# Altium PCB waffling60-MXHS-ISO.PcbDoc (part 3 of 3)
Units mm, origin at the board's own origin, x right, y up, seen from the top; angles counter-clockwise.
Board outline 284.73 x 94.2 mm, 2 copper layers (Component Side, Bottom Layer), stack 1.571 mm thick; 193 components, 119 nets, 1593 pads, 240 vias.
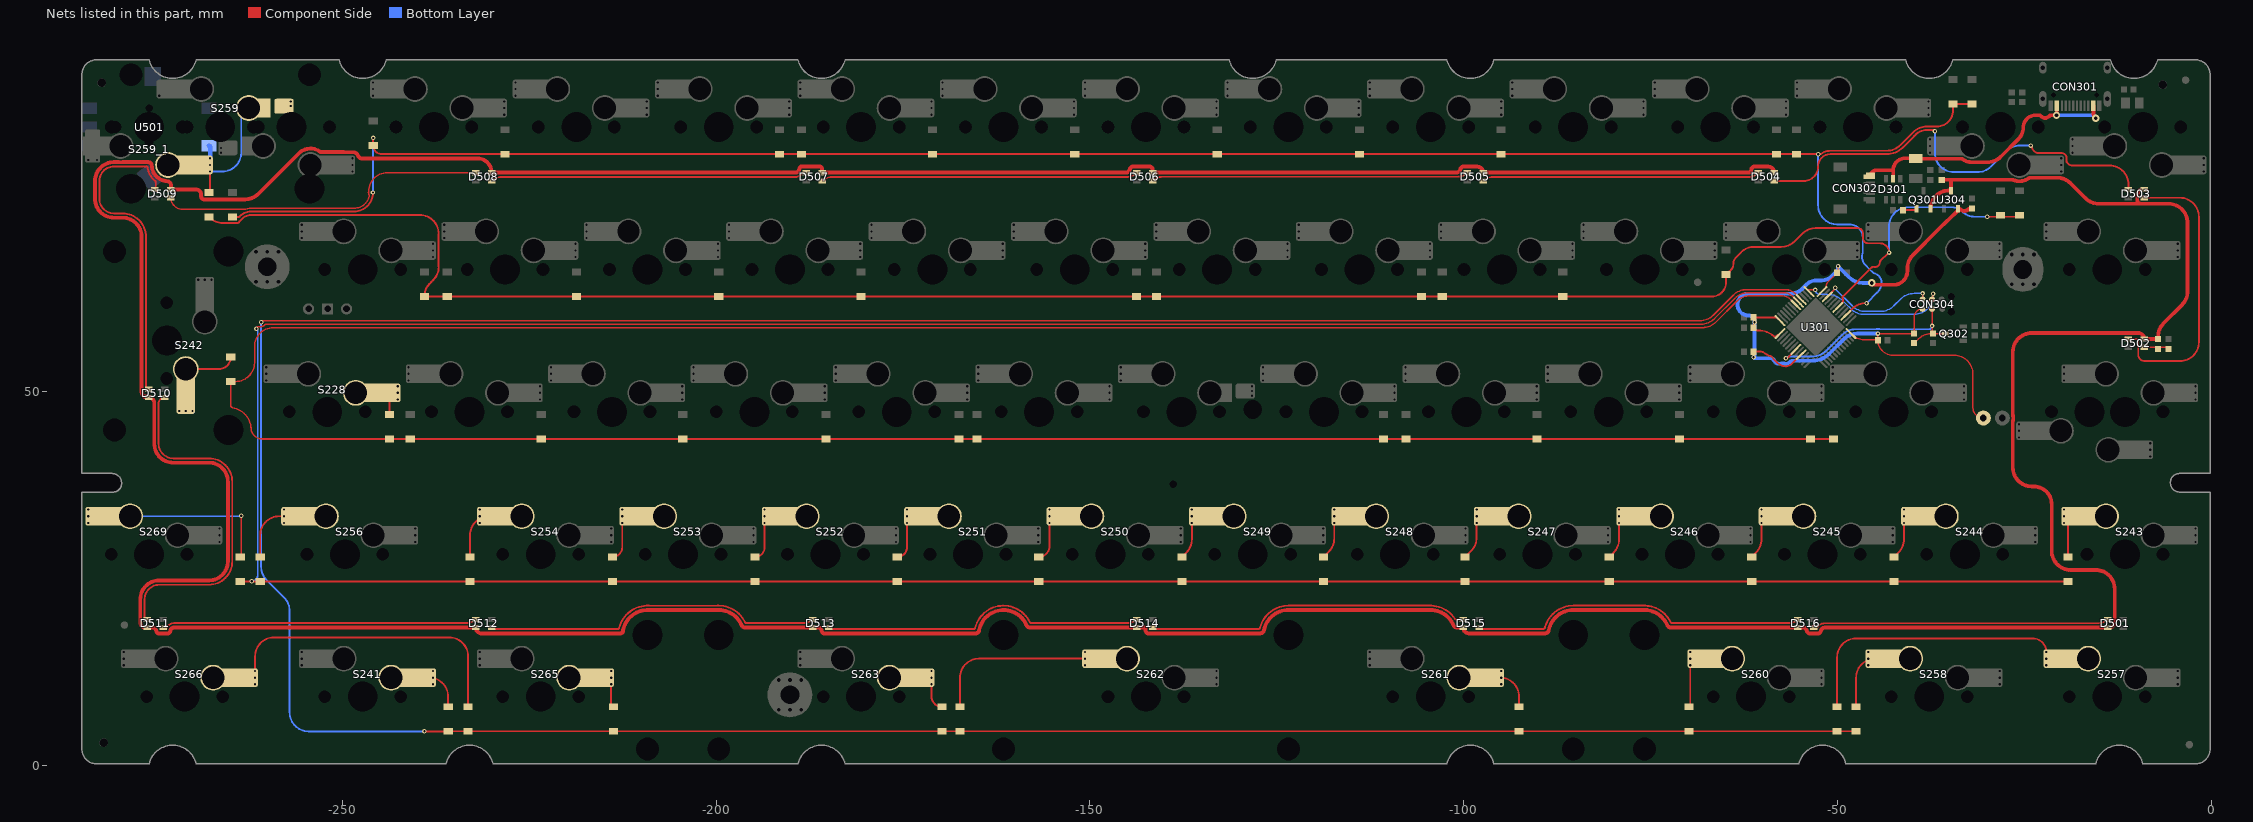
[diagram p3: the nets of this part, all layers, seen from the top]

## Via types
v1: diameter 0.6, hole 0.3, Component Side to Bottom Layer, tented both sides, 211 vias
v2: diameter 0.6, hole 0.3, Component Side to Bottom Layer, tented bottom, 25 vias
v3: diameter 1, hole 0.5, Component Side to Bottom Layer, tented both sides, 4 vias

## Nets (pads, with @x,y where several pads share a name; then routed paths per layer and width w, separated by ;. In a path a pad name is that pad's centre, name@x,y a point inside that pad or via, vN(x,y) a via of type N, cw(c..) or ccw(c..) an arc to the next point about the centre after c; other vN are vias at no path point) (continued)
NetD241_1: D241.1 S242.1 | length 8.7
  Component Side w0.254: S242.1@-270.94,53.03 -266.527,53.03 ccw(c-266.527,54.635) D241.1@-264.922,54.635
  Bottom Layer w0.6: S242.1@-271.773,47.393 S242.1@-269.995,47.393
NetD242_1: D242.1 S228.1 | length 5.1
  Component Side w0.254: S228.1@-244.452,49.855 cw(c-244.452,49.116) -243.713,49.116 D242.1@-243.713,46.95
  Bottom Layer w0.6: S228.1@-242.592,48.966 S228.1@-242.592,49.855 S228.1@-242.592,50.744
NetD243_1: D243.1 S243.1 | length 7.3
  Component Side w0.254: D243.1@-19.177,27.9 -19.177,32.39 cw(c-17.826,32.39) S243.1@-18.781,33.345
  Bottom Layer w0.6: S243.1@-19.681,32.456 S243.1@-19.681,33.345 S243.1@-19.681,34.234
NetD244_1: D244.1 S244.2 | length 6.8
  Component Side w0.254: D244.1@-42.418,27.9 -41.854,28.464 ccw(c-43.65,30.26) -41.11,30.26 S244.2@-41.11,32.456
  Bottom Layer w0.6: S244.2@-41.11,32.456 S244.2@-41.11,33.345 S244.2@-41.11,34.234
NetD245_1: D245.1 S245.1 | length 6.8
  Component Side w0.254: D245.1@-61.468,27.9 -60.906,28.462 ccw(c-62.702,30.258) -60.162,30.258 S245.1@-60.162,32.456
  Bottom Layer w0.6: S245.1@-60.162,32.456 S245.1@-60.162,33.345 S245.1@-60.162,34.234
NetD246_1: D246.1 S246.1 | length 6.8
  Component Side w0.254: D246.1@-80.518,27.9 -79.956,28.462 ccw(c-81.752,30.258) -79.212,30.258 S246.1@-79.212,32.456
  Bottom Layer w0.6: S246.1@-79.212,32.456 S246.1@-79.212,33.345 S246.1@-79.212,34.234
NetD247_1: D247.1 S247.1 | length 6.9
  Component Side w0.254: D247.1@-99.822,27.9 -99.006,28.716 ccw(c-100.802,30.512) -98.262,30.512 S247.1@-98.262,32.456
  Bottom Layer w0.6: S247.1@-98.262,32.456 S247.1@-98.262,33.345 S247.1@-98.262,34.234
NetD248_1: D248.1 S248.1 | length 6.8
  Component Side w0.254: D248.1@-118.745,27.9 -118.056,28.589 ccw(c-119.852,30.385) -117.312,30.385 S248.1@-117.312,32.456
  Bottom Layer w0.6: S248.1@-117.312,32.456 S248.1@-117.312,33.345 S248.1@-117.312,34.234
NetD249_1: D249.1 S249.1 | length 6.8
  Component Side w0.254: D249.1@-137.668,27.9 -137.106,28.462 ccw(c-138.902,30.258) -136.362,30.258 S249.1@-136.362,32.456
  Bottom Layer w0.6: S249.1@-136.362,32.456 S249.1@-136.362,33.345 S249.1@-136.362,34.234
NetD250_1: D250.1 S250.1 | length 7.9
  Component Side w0.254: D250.1@-156.845,27.9 ccw(c-156.845,29.333) -155.412,29.333 S250.1@-155.412,32.456 ; S250.1@-154.305,33.345 S250.1@-153.552,33.345
  Bottom Layer w0.6: S250.1@-155.412,32.456 S250.1@-155.412,33.345 S250.1@-155.412,34.234
NetD251_1: D251.1 S251.1 | length 7.7
  Component Side w0.254: D251.1@-175.768,27.9 ccw(c-175.768,29.206) -174.462,29.206 S251.1@-174.462,32.456 ; S251.1@-173.228,33.345 S251.1@-172.602,33.345
  Bottom Layer w0.6: S251.1@-174.462,32.456 S251.1@-174.462,33.345 S251.1@-174.462,34.234
NetD252_1: D252.1 S252.1 | length 7.7
  Component Side w0.254: D252.1@-194.818,27.9 ccw(c-194.818,29.206) -193.512,29.206 S252.1@-193.512,32.456 ; S252.1@-192.278,33.345 S252.1@-191.652,33.345
  Bottom Layer w0.6: S252.1@-193.512,32.456 S252.1@-193.512,33.345 S252.1@-193.512,34.234
NetD253_1: D253.1 S253.1 | length 7.7
  Component Side w0.254: D253.1@-213.868,27.9 ccw(c-213.868,29.206) -212.562,29.206 S253.1@-212.562,32.456 ; S253.1@-211.328,33.345 S253.1@-210.702,33.345
  Bottom Layer w0.6: S253.1@-212.562,32.456 S253.1@-212.562,33.345 S253.1@-212.562,34.234
NetD254_1: D254.1 S254.1 | length 9.3
  Component Side w0.254: D254.1@-232.918,27.9 -232.918,30.805 cw(c-230.378,30.805) -230.378,33.345 S254.1@-229.752,33.345
  Bottom Layer w0.6: S254.1@-231.612,32.456 S254.1@-231.612,33.345 S254.1@-231.612,34.234
NetD255_1: D255.1 S256.1 | length 11.2
  Component Side w0.254: D255.1@-260.985,27.9 -260.985,30.805 cw(c-258.445,30.805) -258.445,33.345 S256.1@-255.945,33.345
  Bottom Layer w0.6: S256.1@-257.805,32.456 S256.1@-257.805,33.345 S256.1@-257.805,34.234
NetD256_1: D256.1 S269.1 | length 22.4
  Component Side w0.254: S269.1@-282.212,33.273 S269.1@-282.14,33.345 ; D256.1@-263.652,27.9 ccw(c-263.652,28.027) -263.525,28.027 v1(-263.525,33.401)
  Bottom Layer w0.254: S269.1@-278.39,33.345 -263.581,33.345 ccw(c-263.581,33.401) v1(-263.525,33.401)
  Bottom Layer w0.6: S269.1@-284,32.456 S269.1@-284,33.345 S269.1@-284,34.234
NetD257_1: D257.1 S257.2 | length 38.9
  Component Side w0.254: D257.1@-50.038,7.85 -50.038,14.478 cw(c-47.498,14.478) -47.498,17.018 -23.896,17.018 cw(c-23.896,15.184) S257.2@-22.062,15.184
  Bottom Layer w0.6: S257.2@-22.062,13.406 S257.2@-22.062,14.295 S257.2@-22.062,15.184
NetD258_1: D258.1 S258.1 | length 10.6
  Component Side w0.254: D258.1@-47.498,7.85 -47.498,11.755 cw(c-44.958,11.755) -44.958,14.295 S258.1@-44.014,14.295
  Bottom Layer w0.6: S258.1@-45.874,13.406 S258.1@-45.874,14.295 S258.1@-45.874,15.184
NetD260_1: D260.1 S260.1 | length 7.4
  Component Side w0.203: D260.1@-69.85,7.85 ccw(c-69.85,8.013) -69.687,8.013 -69.687,12.115 S260.1@-69.687,13.406
  Bottom Layer w0.6: S260.1@-69.687,13.406 S260.1@-69.687,14.295 S260.1@-69.687,15.184
NetD261_1: D261.1 S261.1 | length 8.8
  Component Side w0.254: S261.1@-96.839,11.755 -95.123,11.755 cw(c-95.123,9.215) -92.583,9.215 D261.1@-92.583,7.85
  Bottom Layer w0.6: S261.1@-94.979,10.866 S261.1@-94.979,11.755 S261.1@-94.979,12.644
NetD262_1: D262.1 S262.2 | length 25.7
  Component Side w0.254: D262.1@-167.386,7.858 -167.386,11.755 cw(c-164.846,11.755) -164.846,14.295 S262.2@-148.789,14.295
  Bottom Layer w0.6: S262.2@-150.649,13.406 S262.2@-150.649,14.295 S262.2@-150.649,15.184
NetD263_1: D263.1 S263.1 | length 6.3
  Component Side w0.254: S263.1@-173.039,11.755 S263.1@-172.339,11.755 ; S263.1@-171.179,10.866 -171.179,9.23 ccw(c-169.799,9.23) D263.1@-169.799,7.85
  Bottom Layer w0.6: S263.1@-171.179,10.866 S263.1@-171.179,11.755 S263.1@-171.179,12.644
NetD264_1: D264.1 S265.1 | length 5
  Component Side w0.254: S265.1@-214.042,10.866 -214.042,9.741 -214.042,8.151 ccw(c-213.741,8.151) D264.1@-213.741,7.85
  Bottom Layer w0.6: S265.1@-214.042,10.866 S265.1@-214.042,11.755 S265.1@-214.042,12.644
NetD265_1: D265.1 S241.2 | length 8.5
  Component Side w0.254: S241.2@-239.714,11.755 -238.379,11.755 cw(c-238.379,9.215) -235.839,9.215 D265.1@-235.839,7.85
  Bottom Layer w0.6: S241.2@-237.854,10.866 S241.2@-237.854,11.755 S241.2@-237.854,12.644
NetD266_1: D266.1 S266.1 | length 41.9
  Component Side w0.254: S266.1@-261.667,12.644 -261.667,14.605 cw(c-259.127,14.605) -259.127,17.145 -235.712,17.145 cw(c-235.712,14.605) -233.172,14.605 D266.1@-233.172,7.85
  Bottom Layer w0.6: S266.1@-261.667,10.866 S266.1@-261.667,11.755 S266.1@-261.667,12.644
NetD501_4: D501.4 D516.2 | length 39.6
  Component Side w0.254: D516.2@-53.158,18.45 -52.785,18.457 -52.756,18.457 ccw(c-52.815,18.704) -52.606,18.559 cw(c-51.709,17.942) -51.711,19.031 -15.124,19.031 ccw(c-15.124,20.803) D501.4@-13.871,19.55
NetD502_2: D502.2 D503.4 | length 39.3
  Component Side w0.254: D502.2@-11.444,57.273 D502.2@-11.071,57.05 -10.001,57.05 cw(c-10.001,56.796) -9.768,56.897 -9.768,54.98 ccw(c-8.89,54.98) -8.89,54.102 -4.191,54.102 ccw(c-4.191,56.642) -1.651,56.642 -1.651,73.41 ccw(c-4.191,73.41) -4.191,75.95 D503.4@-8.941,75.95
NetD502_4: D502.4 R306.2 R308.1 | length 3.3
  Component Side w0.254: D502.4@-8.941,55.95 -5.927,55.95 cw(c-5.927,55.738) R308.1@-5.715,55.738
NetD503_2: D503.2 D504.4 | length 59.6
  Component Side w0.254: D504.4@-58.441,78.2 -54.515,78.2 ccw(c-54.515,80.137) -52.578,80.137 cw(c-50.927,80.137) -50.927,81.788 -43.397,81.788 ccw(c-43.397,84.782) -41.279,82.666 -39.748,84.197 ; -39.747,84.197 -39.54,84.405 cw(c-38.064,82.931) -38.064,85.017 v1@-37.157,85.017 ; v1@-24.003,82.931 ccw(c-22.984,82.931) -22.984,81.912 -19.987,81.912 cw(c-19.987,81.272) -19.348,81.272 -19.348,80.838 ccw(c-19.094,80.839) -19.316,80.715 ccw(c-18.542,81.153) -18.542,80.264 -13.611,80.264 cw(c-13.611,77.724) -11.071,77.724 D503.2@-11.071,77.05
  Bottom Layer w0.254: v1(-36.957,84.836) -36.957,81.915 ccw(c-34.417,81.915) -34.417,79.375 -31.278,79.375 ccw(c-31.278,81.915) -29.482,80.119 -27.414,82.187 cw(c-25.618,80.391) -25.618,82.931 v1(-24.13,82.931)
NetD504_2: D504.2 D505.4 | length 37.5
  Component Side w0.254: D505.4@-97.001,78.21 D505.4@-97.374,78.2 cw(c-96.085,76.911) -96.085,78.734 -61.937,78.734 ccw(c-61.937,80.666) D504.2@-60.571,79.3
NetD505_2: D505.2 D506.4 | length 42.4
  Component Side w0.254: D506.4@-141.591,78.2 cw(c-140.249,76.858) -140.249,78.756 -139.494,78.756 -100.817,78.756 ccw(c-100.817,80.613) D505.2@-99.504,79.3
NetD506_2: D506.2 D507.4 | length 42.4
  Component Side w0.254: D507.4@-185.808,78.2 cw(c-184.519,76.911) -184.519,78.734 -145.087,78.734 ccw(c-145.087,80.666) D506.2@-143.721,79.3
NetD507_2: D507.2 D508.4 | length 42.4
  Component Side w0.254: D508.4@-230.024,78.2 cw(c-228.735,76.911) -228.735,78.734 -189.43,78.734 ccw(c-189.43,79.962) -189.062,78.791 ccw(c-189.388,79.83) -188.503,79.195 cw(c-188.297,79.046) -188.325,79.298 -188.311,79.298 D507.2@-187.938,79.3
NetD508_2: D508.2 D509.4 | length 45.1
  Component Side w0.203: D509.4@-272.539,76.203 ccw(c-272.394,76.06) -272.543,76.198 -272.537,76.198 D509.4@-272.935,75.95 -272.914,75.702 -272.914,75.7 ccw(c-271.407,75.95) -271.407,74.422 -263.003,74.422 ccw(c-263.004,74.625) -262.945,74.431 cw(c-262.197,71.987) -262.197,74.543 -248.44,74.543 ccw(c-248.44,76.654) -247.459,74.784 ccw(c-248.44,76.654) -246.383,76.18 ccw(c-246.581,76.225) -246.409,76.333 cw(c-245.9,76.654) -246.485,76.794 cw(c-243.979,76.794) -243.979,79.3 D508.2@-232.154,79.3
NetD509_2: D509.2 D510.4 | length 43.1
  Component Side w0.254: -282.49,78.28 ccw(c-282.25,78.199) -282.504,78.203 ccw(c-280.545,78.175) -282.504,78.175 ; -276.047,79.979 ccw(c-273.31,80.335) -275.048,78.191 cw(c-275.209,77.994) -274.955,77.996 -274.955,77.273 D509.2@-275.065,77.05 ; -276.047,79.981 ccw(c-276.281,79.88) -276.281,80.134 -279.324,80.134 ccw(c-279.323,79.88) -279.352,80.132 cw(c-279.66,82.875) -279.969,80.132 ccw(c-279.997,79.88) -279.996,80.134 -280.545,80.134 ccw(c-280.545,78.175) -282.431,78.704 ccw(c-280.545,78.175) -282.504,78.175 ; D510.4@-275.899,50.334 cw(c-275.899,50.707) -276.272,50.707 -276.272,70.739 ccw(c-279.393,70.739) -279.393,73.86 -280.545,73.86 cw(c-280.545,75.819) -282.504,75.819 -282.504,78.175
NetD510_2: D510.2 D511.4 | length 47.6
  Component Side w0.254: D511.4@-276.071,19.55 -276.443,19.773 ccw(c-276.697,19.773) -276.443,19.775 -276.444,19.858 cw(c-276.19,19.86) -276.444,19.86 -276.444,22.225 cw(c-274.485,22.225) -274.485,24.184 -267.843,24.184 ccw(c-267.843,27.305) -265.638,25.096 ccw(c-267.843,27.305) -264.722,27.305 -264.722,37.973 ccw(c-267.843,37.973) -267.843,41.094 -272.617,41.094 cw(c-272.617,43.053) -274.576,43.053 -274.576,48.427 cw(c-273.769,48.427) D510.2@-273.769,49.234
NetD511_2: D511.2 D512.4 | length 42.1
  Component Side w0.254: D511.2@-273.941,18.45 -273.568,18.461 -273.532,18.461 ccw(c-273.606,18.704) -273.395,18.562 cw(c-272.49,17.957) -272.491,19.046 -233.371,19.046 ccw(c-233.371,20.767) D512.4@-232.154,19.55
NetD512_2: D512.2 D513.4 | length 45.5
  Component Side w0.254: D512.2@-230.024,18.45 -229.651,18.227 -229.554,18.227 ccw(c-229.555,18.481) -229.518,18.23 cw(c-229.355,17.153) -229.356,18.242 -221.154,18.242 cw(c-221.154,17.098) -221.151,18.242 -213.205,18.242 ccw(c-213.206,18.496) -212.96,18.433 cw(c-209.176,17.485) -210.005,21.296 cw(c-209.176,17.485) -208.989,21.381 ccw(c-208.977,21.634) -208.979,21.38 -199.849,21.38 ccw(c-199.851,21.634) -199.839,21.381 cw(c-199.651,17.485) -199.651,21.385 cw(c-199.651,17.485) -196.142,19.188 ccw(c-195.914,19.3) -195.915,19.046 -188.288,19.046 ccw(c-188.288,20.767) D513.4@-187.071,19.55
NetD513_2: D513.2 D514.4 | length 45.6
  Component Side w0.254: -184.432,18.233 cw(c-184.184,17.173) -184.185,18.262 -165.507,18.262 ccw(c-165.578,18.506) -165.332,18.442 cw(c-161.551,17.485) -165.204,18.85 cw(c-161.551,17.485) -164.354,20.196 cw(c-161.551,17.485) -158.819,20.268 ; -160.866,21.325 cw(c-161.551,17.485) -158.819,20.268 ; D514.4@-143.721,19.55 cw(c-144.928,20.757) -144.928,19.05 -157.825,19.05 cw(c-157.816,19.304) -158.044,19.191 ccw(c-161.551,17.485) -158.819,20.268
NetD514_2: D514.2 D515.4 | length 43.7
  Component Side w0.254: D514.2@-141.591,18.45 -141.218,18.227 -141.121,18.227 ccw(c-141.122,18.481) -141.085,18.23 cw(c-140.922,17.153) -140.923,18.242 -140.509,18.242 cw(c-140.509,17.098) -140.506,18.242 -127.717,18.242 ccw(c-127.717,20.782) -127.449,18.256 ccw(c-127.477,18.509) -127.231,18.445 cw(c-123.451,17.485) -124.008,21.345 cw(c-123.451,17.485) -123.442,21.385 -104.442,21.385 ; D515.4@-100.071,19.55 -100.988,19.55 cw(c-100.987,19.804) -101.197,19.661 ccw(c-104.433,17.485) -104.284,21.382 -104.304,21.383 -104.329,21.384 ccw(c-104.378,20.296) -104.378,21.385 -104.424,21.385 ; -104.442,21.385 cw(c-104.433,17.485) -104.424,21.385 ; -104.442,21.385 -104.424,21.385
NetD515_2: D515.2 D516.4 | length 45.2
  Component Side w0.254: D515.2@-97.941,18.45 ccw(c-97.487,18.904) -97.487,18.262 -89.375,18.262 ccw(c-89.376,18.516) -89.13,18.452 cw(c-85.351,17.485) -89.096,18.576 cw(c-85.351,17.485) -88.538,19.734 cw(c-85.351,17.485) -85.328,21.385 -82.931,21.385 -80.616,21.385 cw(c-80.591,17.485) -80.568,21.385 -75.85,21.385 cw(c-75.826,17.485) -75.822,21.385 -75.754,21.385 cw(c-75.752,19.303) -75.575,21.378 -75.535,21.374 -75.51,21.372 cw(c-75.826,17.485) -75.463,21.368 -75.422,21.365 cw(c-75.605,19.291) -75.283,21.348 -75.232,21.34 cw(c-75.826,17.485) -72.318,19.188 ccw(c-72.09,19.3) -72.091,19.046 -56.505,19.046 ccw(c-56.505,20.767) D516.4@-55.288,19.55
NetQ301_1: Q301.1 R307.1 | length 2.1
  Component Side w0.254: R307.1@-41.387,74.295 -39.628,74.295 ccw(c-39.628,74.492) Q301.1@-39.431,74.492
NRST: C310.1 CON304.3 Q302.3 R303.2 U301.7 | length 31.2
  Component Side w0.203: R303.2@-39.751,56.5 -39.726,56.5 -39.17,57.056 cw(c-37.374,55.26) -37.763,57.77 ; CON304.3@-37.338,61.087 v1(-37.338,58.801) -37.338,57.927 C310.1@-37.211,57.8 -37.374,57.8 ccw(c-37.374,55.26) -37.763,57.77 ; Q302.3@-35.564,57.77 -37.763,57.77
  Component Side w0.254: v1(-56.896,54.483) -56.83,54.549 -56.679,54.549 U301.7@-55.743,55.486
  Bottom Layer w0.254: v1(-56.896,54.483) cw(c-56.283,53.87) -56.283,54.737 -53.303,54.737 ccw(c-53.303,57.277) -51.507,55.481 -49.37,57.618 cw(c-47.574,55.822) -47.574,58.362 -44.868,58.362 ccw(c-44.87,58.616) -44.786,58.376 cw(c-44.577,57.785) -44.577,58.412 cw(c-44.577,57.785) -44.374,58.378 ccw(c-44.293,58.619) -44.294,58.365 -43.218,58.365 cw(c-43.218,58.111) -43.18,58.362 -37.777,58.362 ccw(c-37.777,58.801) v1(-37.338,58.801)
PA9: D215.2 D216.2 D217.2 D218.2 D219.2 D220.2 D221.2 D222.2 D223.2 D224.2 D225.2 D226.2 D227.2 D228.2 U301.30 | length 277.6
  Component Side w0.254: D228.2@-267.843,73.365 -267.805,73.327 ccw(c-266.009,75.123) -266.009,72.583 -264.058,72.583 ccw(c-264.058,72.91) -263.764,72.767 cw(c-263.536,72.655) -263.717,72.833 -263.38,73.17 cw(c-262.197,71.987) -262.197,73.66 -239.649,73.66 cw(c-239.649,71.12) -237.109,71.12 -237.109,66.726 cw(c-239.649,66.726) -237.853,64.93 -238.076,64.708 cw(c-240.03,66.33) -238.234,64.534 -238.379,64.389 ccw(c-236.846,62.856) -238.38,64.388 ccw(c-236.846,62.856) -239.014,62.856 D227.2@-239.014,62.754 D226.2@-235.966,62.754 ; D226.2@-235.966,62.73 D225.2@-218.694,62.73 D224.2@-199.644,62.73 D223.2@-180.594,62.73 D222.2@-143.764,62.73 D221.2@-141.097,62.73 D220.2@-105.664,62.73 D219.2@-102.87,62.73 D218.2@-86.741,62.73 -66.813,62.73 ccw(c-66.813,64.646) -65.459,63.29 ccw(c-66.813,64.646) -65.458,63.291 ccw(c-66.813,64.646) -65.457,63.292 ccw(c-66.813,64.646) -64.897,64.646 D217.2@-64.897,65.675 -64.414,66.003 -64.525,66.003 cw(c-64.29,65.907) -64.471,66.085 -64.237,66.319 ccw(c-64.981,67.063) -63.929,67.063 cw(c-62.598,67.063) -63.539,68.004 -62.897,68.646 cw(c-61.101,66.85) -61.101,69.39 -57.52,69.39 ccw(c-57.52,71.93) -55.723,70.134 -54.719,71.138 cw(c-52.923,69.342) -52.923,71.882 -47.296,71.882 cw(c-47.296,71.163) -46.577,71.163 -46.577,70.508 ccw(c-45.938,70.508) -46.522,70.248 ccw(c-45.938,70.508) -46.401,70.067 ; U301.30@-49.365,61.853 -49.321,61.947 cw(c-49.091,61.84) -49.308,61.972 ccw(c-49.715,62.221) -49.28,62.416 cw(c-49.047,62.519) -49.301,62.518 -49.301,62.624 cw(c-49.047,62.624) -49.227,62.804 -45.386,66.645 cw(c-45.207,66.465) -45.136,66.709 ccw(c-44.958,67.31) -44.331,67.321 cw(c-44.077,67.324) -44.258,67.502 -43.205,68.555 cw(c-43.026,68.375) v1(-43.093,68.62) ; -46.522,70.247 ccw(c-45.938,70.508) -45.938,69.868 -44.341,69.868 cw(c-44.341,68.62) v1(-43.093,68.62) ; v1@-43.093,68.58 ccw(c-44.46,68.62) v1(-43.093,68.62) ; v1(-29.972,73.406) -25.867,73.406 D215.2@-25.654,73.619
  Bottom Layer w0.254: v1(-43.093,68.62) -43.093,72.136 cw(c-40.553,72.136) -40.553,74.676 -34.627,74.676 cw(c-34.627,72.942) -33.401,74.168 -33.383,74.15 ccw(c-31.587,75.946) -31.587,73.406 v1(-29.972,73.406)
PB4: D257.2 D258.2 D260.2 D261.2 D262.2 D263.2 D264.2 D265.2 D266.2 U301.40 | length 472.4
  Component Side w0.203: v1(-260.858,59.309) cw(c-260.676,59.309) -260.676,59.491 -257.683,59.491 -70.993,59.491 -68.42,59.491 ccw(c-68.42,62.031) -66.623,60.235 -63.943,62.916 cw(c-62.147,61.12) -62.147,63.66 -56.98,63.66 cw(c-56.98,61.716) -55.605,63.091 U301.40@-55.036,62.522
  Component Side w0.254: v1@-239.014,4.572 v1(-239.014,4.578) D265.2@-235.837,4.578 ; D265.2@-235.839,4.58 D266.2@-233.172,4.58 D264.2@-213.741,4.58 D257.2@-50.038,4.58 D258.2@-47.498,4.58
  Bottom Layer w0.254: v1(-260.858,59.309) -260.858,26.579 ccw(c-258.318,26.579) -260.114,24.783 -257.792,22.461 cw(c-259.588,20.665) -257.048,20.665 -257.048,7.112 ccw(c-254.508,7.112) -254.508,4.572 v1@-239.014,4.572
PB5: D243.2 D244.2 D245.2 D246.2 D247.2 D248.2 D249.2 D250.2 D251.2 D252.2 D253.2 D254.2 D255.2 D256.2 U301.41 | length 487.1
  Component Side w0.203: v1(-261.493,58.42) cw(c-261.206,58.42) -261.206,58.707 -260.858,58.707 ccw(c-260.858,59.309) -260.372,58.955 cw(c-260.208,58.834) -260.209,59.037 -68.231,59.037 ccw(c-68.231,61.577) -66.435,59.781 -63.704,62.513 cw(c-61.908,60.717) -61.908,63.257 -57.249,63.257 cw(c-57.249,61.398) -55.934,62.712 U301.41@-55.389,62.168
  Component Side w0.254: D256.2@-263.652,24.63 -263.644,24.638 v1(-262.128,24.638) ; v1@-262.136,24.63 D255.2@-260.985,24.63 D254.2@-232.918,24.63 D253.2@-213.868,24.63 D252.2@-194.818,24.63 D251.2@-175.768,24.63 D250.2@-156.845,24.63 D249.2@-137.668,24.63 D248.2@-118.745,24.63 D247.2@-99.822,24.63 D246.2@-80.518,24.63 D245.2@-61.468,24.63 D244.2@-42.418,24.63 D243.2@-19.177,24.63
  Bottom Layer w0.254: v1(-262.128,24.638) ccw(c-262.128,25.454) -261.312,25.454 -261.312,58.177 ccw(c-261.566,58.177) v1(-261.493,58.42)
PB6: D229.2 D230.2 D231.2 D232.2 D233.2 D234.2 D235.2 D236.2 D237.2 D238.2 D239.2 D240.2 D241.2 D242.2 U301.42 | length 436.3
  Component Side w0.203: D241.2@-264.922,51.364 -264.922,48.137 ccw(c-264.668,48.137) -264.711,47.887 cw(c-265.225,44.902) -262.198,45.005 ; D241.2@-264.922,51.365 -264.287,51.365 ccw(c-264.287,53.905) -261.747,53.905 -261.747,56.017 ccw(c-264.278,56.233) -261.738,56.233 -261.738,56.26 cw(c-259.207,56.043) -259.207,58.583 -68.043,58.583 ccw(c-68.043,61.123) -66.247,59.327 -63.465,62.11 cw(c-61.669,60.314) -61.669,62.854 -57.517,62.854 cw(c-57.517,61.079) -56.263,62.334 U301.42@-55.743,61.814 ; -262.212,45.216 cw(c-265.225,44.902) -262.198,45.005 ; D242.2@-243.713,43.68 -260.676,43.68 cw(c-260.676,45.216) -262.198,45.005 ; D242.2@-243.669,43.68 D240.2@-240.919,43.68 D239.2@-223.393,43.68 D238.2@-204.47,43.68 D237.2@-185.293,43.68 D236.2@-167.513,43.68 D235.2@-165.1,43.68 D234.2@-110.744,43.68 D233.2@-107.696,43.68 D232.2@-90.17,43.68 D231.2@-71.12,43.68 D230.2@-53.594,43.68 D229.2@-50.546,43.68
PB14: D201.2 D202.2 D203.2 D204.2 D205.2 D206.2 D207.2 D208.2 D209.2 D210.2 D211.2 D212.2 D213.2 D214.2 U301.27 | length 275.6
  Component Side w0.254: D214.2@-264.668,73.365 -263.932,73.365 ccw(c-263.932,73.619) -263.753,73.439 -263.702,73.49 cw(c-262.197,71.987) -263.701,73.491 cw(c-262.197,71.987) -262.197,74.114 -248.44,74.114 ccw(c-248.44,76.654) v1(-245.9,76.654) ; v1(-245.872,83.947) D213.2@-245.872,82.947 ccw(c-244.72,82.947) -245.845,82.699 ccw(c-244.72,82.947) -244.72,81.795 -228.219,81.795 D212.2@-228.219,81.78 D211.2@-191.516,81.78 D210.2@-188.595,81.78 D209.2@-171.069,81.78 D208.2@-152.019,81.78 D207.2@-132.969,81.78 D206.2@-113.919,81.78 D205.2@-94.996,81.78 D204.2@-58.166,81.78 D203.2@-55.499,81.78 v1(-52.578,81.78) -52.328,81.78 ccw(c-52.329,82.034) -52.179,81.829 cw(c-50.927,80.137) -50.927,82.242 -43.397,82.242 ccw(c-43.397,84.782) -41.601,82.986 -39.86,84.727 cw(c-38.064,82.931) -38.064,85.471 -36.703,85.471 ccw(c-36.703,87.63) -34.544,87.63 D201.2@-34.544,88.509 D202.2@-32.004,88.509 ; U301.27@-48.707,60.4 -48.002,61.105 cw(c-46.206,59.309) -46.206,61.849 v1(-46.101,61.849)
  Bottom Layer w0.254: v1(-245.9,76.654) ccw(c-245.9,76.682) -245.872,76.682 v1(-245.872,83.947) ; v1(-52.578,81.78) -52.578,74.93 ccw(c-50.038,74.93) -50.785,72.502 ccw(c-50.038,74.93) -50.038,72.39 -48.387,72.39 cw(c-48.387,70.612) -46.609,70.612 -46.609,68.625 cw(c-46.863,68.627) -46.63,68.526 ccw(c-45.593,68.072) -46.725,68.072 ccw(c-45.165,68.072) -46.268,66.969 -45.72,66.421 -45.211,65.912 ccw(c-45.033,66.093) -45.097,65.847 cw(c-45.421,64.556) -44.9,65.781 -44.898,65.78 cw(c-45.421,64.556) -44.269,65.224 -44.268,65.222 cw(c-45.421,64.556) -44.176,64.084 ccw(c-43.938,63.994) -44.176,64.082 ccw(c-43.938,63.994) -44.18,64.072 cw(c-45.984,64.641) -44.646,63.304 v1(-46.101,61.849)
RAW: CON301.A4B9 CON301.B4A9 CON302.1 D301.5 F301.2 | length 39.8
  Component Side w0.5: CON302.1@-45.625,78.75 cw(c-44.746,78.75) -44.746,79.629 -42.545,79.629 ; D301.5@-42.545,78.464 -42.545,79.629 ; -23.622,86.995 -23.11,86.995 cw(c-23.112,86.495) -22.758,86.848 ccw(c-22.225,87.376) -21.692,86.848 cw(c-21.338,86.495) -21.34,86.995 v3@-20.701,86.995 ; -23.499,86.991 ccw(c-23.499,85.344) -25.146,85.344 cw(c-27.292,85.344) -25.775,83.826 -28.152,81.449 cw(c-29.948,83.245) -29.948,80.705 -31.864,80.705 cw(c-32.01,82.875) -33.248,81.087 ccw(c-33.532,80.675) -33.53,81.175 -35.754,81.175 cw(c-35.758,81.938) -35.758,81.175 -39.357,81.175 cw(c-39.357,81.373) F301.2@-39.497,81.233 -40.941,81.233 ccw(c-40.941,79.629) -42.545,79.629 ; v3(-20.697,86.991) -20.697,86.995 v3@-20.701,86.995 ; CON301.B4A9@-20.65,88.25 -20.674,88.226 -20.674,87.222 -20.774,87.122 -20.828,87.122 v3@-20.701,86.995 ; CON301.A4B9@-15.75,88.25 -15.75,87.276 ccw(c-14.758,87.276) v3(-15.46,86.575)
  Bottom Layer w0.5: v3(-20.697,86.991) -15.876,86.991 cw(c-15.876,86.575) v3(-15.46,86.575)
ROT_SW_A2: D228.1 S259.2 S259_1.1 U501.1 | length 19.3
  Component Side w0.254: D228.1@-267.843,76.635 ccw(c-267.843,76.778) -267.7,76.778 S259_1.1@-267.7,79.446
  Bottom Layer w0.254: S259_1.1@-267.7,79.446 -266.065,79.446 ccw(c-266.065,81.986) -263.525,81.986 -263.525,86.945 cw(c-262.515,86.945) S259.2@-262.515,87.955
  Bottom Layer w0.6: U501.1@-267.85,82.915 cw(c-267.85,82.765) -267.7,82.765 S259_1.1@-267.7,81.224 S259_1.1@-267.7,80.335 S259_1.1@-267.7,79.446 ; S259.2@-256.905,88.21 S259.2@-256.905,88.844
SWCLK: CON304.4 U301.37 | length 20.5
  Component Side w0.203: U301.37@-53.975,63.582 -53.975,63.627 v1(-52.959,63.627) ; CON304.4@-37.338,62.357 -37.274,62.42 -37.274,63.055 v1(-37.211,63.119)
  Bottom Layer w0.203: v1(-52.959,63.627) ccw(c-52.346,63.627) -52.346,63.014 -51.342,63.014 cw(c-51.342,60.071) -49.26,62.152 -48.863,61.754 -48.199,61.091 ccw(c-46.403,62.887) -46.403,60.347 -39.751,60.347 ccw(c-39.751,62.887) -37.211,62.887 v1(-37.211,63.119)
SWDIO: CON304.2 U301.34 | length 16
  Component Side w0.203: U301.34@-51.182,62.875 -51.182,62.901 -50.495,63.588 -50.495,63.604 -50.29,63.809 v1(-50.29,63.916) ; CON304.2@-38.608,62.357 v1(-38.609,63.152)
  Bottom Layer w0.203: v1(-50.29,63.916) -50.29,63.809 -50.148,63.666 -50.148,63.61 -48.032,61.494 ccw(c-46.236,63.29) -46.236,60.75 -44.25,60.75 ccw(c-44.25,63.29) -42.454,61.494 -41.54,62.408 cw(c-39.744,60.612) -41.42,62.521 cw(c-39.744,60.612) -39.744,63.152 v1(-38.609,63.152)
VCC: C307.2 D501.1 D502.1 D503.1 D504.1 D505.1 D506.1 D507.1 D508.1 D509.1 D510.1 D511.1 D512.1 D513.1 D514.1 D515.1 D516.1 Q301.2 R306.1 U304.3 | length 734.3
  Component Side w0.5: Q301.2@-37.533,74.507 cw(c-35.133,74.507) -35.133,76.907 -34.8,76.907 -34.8,78.359 ; Q301.2@-37.531,74.492 cw(c-35.131,74.492) -35.131,76.892 U304.3@-34.798,76.892 U304.3@-34.798,77.074 ; C307.2@-36.07,78.359 -34.8,78.359 ; D502.1@-8.941,57.05 R306.1@-7.112,57.05 ; D503.1@-8.941,77.05 -9.141,77.05 ccw(c-9.141,76.3) -9.891,76.3 -9.891,75.6 ccw(c-9.441,75.6) -9.441,75.15 ; R306.1@-7.112,57.038 R306.1@-7.112,57.05 ; -34.8,78.359 -26.671,78.359 cw(c-26.672,77.859) -26.485,78.322 ccw(c-25.66,80.335) -24.421,78.547 cw(c-24.138,78.135) -24.14,78.635 -20.619,78.635 cw(c-20.619,76.095) -18.838,77.906 cw(c-20.619,76.095) -18.823,77.891 -16.826,75.894 ccw(c-15.03,77.69) -15.03,75.15 -9.441,75.15 ; -9.441,75.15 -5.715,75.15 cw(c-5.715,72.61) -3.175,72.61 -3.175,63.409 cw(c-5.715,63.409) -3.919,61.613 -6.368,59.164 ccw(c-4.572,57.368) -7.112,57.368 R306.1@-7.112,57.05
  Component Side w0.508: D510.1@-276.182,49.478 -276.145,49.33 -275.937,49.249 -275.901,49.249 cw(c-275.901,48.505) -275.157,48.505 -275.157,43.053 ccw(c-272.617,43.053) -272.617,40.513 -267.843,40.513 cw(c-267.843,37.973) -265.303,37.973 -265.303,27.305 cw(c-267.843,27.305) -265.497,26.331 cw(c-267.843,27.305) -267.843,24.765 -274.485,24.765 ccw(c-274.485,22.225) -277.025,22.225 -277.025,19.2 ccw(c-276.571,19.2) -277.002,19.057 cw(c-277.485,18.899) -276.982,18.969 ccw(c-276.387,19.05) -276.387,18.45 D511.1@-276.071,18.45 -275.388,18.45 cw(c-275.39,17.942) -274.889,18.026 ccw(c-274.441,18.1) -274.441,17.646 -273.441,17.646 ccw(c-273.441,18.1) -272.992,18.034 cw(c-272.49,17.957) -272.491,18.465 -232.156,18.465 ccw(c-231.359,18.465) -231.359,17.668 -230.982,17.668 ccw(c-230.898,18.169) -230.9,17.661 -230.692,17.661 cw(c-230.693,17.153) -230.605,17.653 ccw(c-230.524,18.1) -230.524,17.646 -229.524,17.646 ccw(c-229.524,18.1) -229.444,17.653 cw(c-229.355,17.153) -229.356,17.661 -212.864,17.661 ccw(c-212.864,18.083) -212.441,18.083 cw(c-209.176,17.485) -211.579,19.775 cw(c-209.176,17.485) -208.999,20.799 -199.841,20.799 ccw(c-199.843,21.307) -199.819,20.8 ; D510.1@-275.899,49.234 -276.103,49.234 cw(c-276.103,49.984) -276.853,49.984 -276.853,70.739 ccw(c-279.393,70.739) -279.393,73.279 -280.545,73.279 cw(c-280.545,75.819) -283.085,75.819 -283.085,78.175 cw(c-280.545,78.175) -280.545,80.715 -279.976,80.715 cw(c-279.978,80.207) -279.919,80.711 ccw(c-279.66,82.875) -279.404,80.711 cw(c-279.342,80.207) -279.344,80.715 -275.992,80.715 cw(c-275.994,80.207) -275.487,80.232 ccw(c-273.31,80.335) -275.471,80.054 ccw(c-273.31,80.335) -273.418,78.159 cw(c-273.445,77.651) -273.087,78.012 cw(c-273.445,77.651) -272.937,77.653 D509.1@-272.937,77.065 ; D509.1@-272.935,77.05 -269.582,77.05 cw(c-269.582,76.327) -269.019,76.78 cw(c-269.415,76.462) -268.907,76.464 -268.907,76.18 ccw(c-268.453,76.18) -268.453,75.726 -263.036,75.726 ccw(c-263.036,78.266) -261.24,76.47 -255.835,81.875 cw(c-254.256,80.296) -255.479,82.165 ccw(c-255.722,82.692) -255.416,82.198 cw(c-254.262,80.35) -254.256,82.529 ; -254.255,82.529 cw(c-254.262,80.35) -254.131,82.525 cw(c-254.262,80.35) -252.904,82.054 -249.809,82.054 ; -249.809,82.039 -248.587,82.039 cw(c-248.587,81.272) -247.87,81.541 ccw(c-247.395,81.722) -247.855,81.507 ccw(c-247.395,81.722) -247.397,81.214 -231.925,81.214 cw(c-231.925,79.315) D508.1@-230.026,79.315 ; D508.1@-230.02,79.321 D508.1@-230.026,79.315 ; -199.844,20.799 cw(c-199.651,17.485) -199.819,20.8 ; -196.592,18.774 ccw(c-196.125,18.973) -196.127,18.465 D513.1@-187.071,18.465 ; -196.592,18.774 ccw(c-199.651,17.485) -196.677,18.958 ccw(c-199.651,17.485) -199.651,20.804 ; -188.887,79.742 cw(c-189.388,79.83) -189.234,79.345 cw(c-189.43,79.962) -189.43,79.315 D508.1@-230.026,79.315 ; -188.887,79.743 cw(c-188.44,79.665) -188.784,79.962 cw(c-188.626,79.962) -188.626,80.119 -186.16,80.119 cw(c-186.16,79.783) -185.824,79.783 -185.824,79.315 -145.244,79.315 -145.172,79.315 ccw(c-145.172,79.823) -144.671,79.74 cw(c-144.223,79.665) -144.223,80.119 -142.03,80.119 cw(c-142.03,79.682) -141.593,79.682 ; D513.1@-187.071,18.45 -186.262,18.45 -186.26,18.45 cw(c-186.387,17.958) -185.895,18.084 -185.895,18.083 ; -185.897,18.115 cw(c-186.402,18.062) -185.895,18.083 ; -164.814,18.092 cw(c-165.314,18.185) -165.254,17.681 -184.185,17.681 ccw(c-184.184,17.173) -184.318,17.663 cw(c-184.441,18.1) -184.441,17.646 -185.441,17.646 cw(c-185.441,18.1) -185.557,17.661 cw(c-185.441,18.1) -185.691,17.721 cw(c-185.441,18.1) -185.892,18.047 cw(c-185.441,18.1) -185.895,18.083 ; -164.804,18.142 cw(c-161.551,17.485) -158.928,19.519 ; -161.551,20.804 cw(c-161.551,17.485) -158.577,18.958 cw(c-161.551,17.485) -158.492,18.774 ; -158.492,18.774 ccw(c-158.025,18.973) -158.027,18.465 -142.633,18.465 cw(c-142.633,17.912) -142.547,18.458 cw(c-143.053,18.413) -142.545,18.413 -142.545,18.1 ccw(c-142.091,18.1) -142.542,18.047 ccw(c-142.091,18.1) -142.091,17.646 -141.091,17.646 ccw(c-141.091,18.1) -141.01,17.653 cw(c-140.922,17.153) -140.923,17.661 -127.26,17.661 ccw(c-127.26,17.729) -127.211,17.681 ccw(c-127.213,18.189) -126.714,18.094 cw(c-123.451,17.485) -123.671,20.797 cw(c-123.451,17.485) -123.443,20.804 -104.441,20.804 cw(c-104.433,17.485) -104.425,20.804 -104.378,20.804 cw(c-104.378,20.296) -104.357,20.804 -104.329,20.803 ccw(c-104.308,21.31) -104.326,20.802 -104.303,20.802 cw(c-104.433,17.485) -104.123,20.79 cw(c-104.433,17.485) -102.185,19.927 ; D506.1@-141.593,79.315 cw(c-141.54,79.262) -141.54,79.337 -100.997,79.337 ccw(c-100.997,79.984) -100.803,79.367 ; -102.592,20.247 cw(c-104.433,17.485) -101.374,18.774 ; -101.374,18.774 ccw(c-100.907,18.973) -100.909,18.465 -100.073,18.465 ccw(c-99.289,18.465) -99.289,17.681 -98.697,17.681 cw(c-98.698,17.173) -98.563,17.663 ccw(c-98.441,18.1) -98.441,17.646 -97.441,17.646 ccw(c-97.441,18.1) -97.318,17.663 cw(c-97.184,17.173) -97.185,17.681 -89.111,17.681 ccw(c-89.113,18.189) -88.614,18.095 cw(c-85.351,17.485) -88.063,19.399 cw(c-85.351,17.485) -87.411,20.088 cw(c-85.351,17.485) -85.33,20.804 -83.822,20.804 -80.614,20.804 cw(c-80.591,17.485) -80.569,20.804 -75.849,20.804 cw(c-75.826,17.485) -75.804,20.804 -75.752,20.804 cw(c-75.752,19.303) -75.625,20.799 -75.581,20.795 cw(c-75.826,17.485) -75.518,20.79 -75.472,20.786 cw(c-75.605,19.291) -75.374,20.774 -75.319,20.765 cw(c-75.826,17.485) -72.768,18.774 ; -100.801,79.368 ccw(c-100.955,79.852) -100.539,79.56 cw(c-99.854,79.083) -100.46,79.657 -100.46,79.665 cw(c-100.006,79.665) -100.006,80.119 -98.18,80.119 cw(c-98.18,79.315) -97.376,79.315 -61.976,79.315 ccw(c-61.976,80.718) -61.78,79.329 ccw(c-61.877,79.665) -61.527,79.665 cw(c-61.073,79.665) -61.073,80.119 -59.247,80.119 ; -72.768,18.774 ccw(c-72.3,18.973) -72.302,18.465 D516.1@-55.29,18.465 ; D516.1@-55.288,18.45 -54.605,18.45 cw(c-54.607,17.942) -54.106,18.027 ccw(c-53.658,18.1) -53.78,17.663 ccw(c-53.658,18.1) -53.658,17.646 -52.658,17.646 ccw(c-52.658,18.1) -52.21,18.027 cw(c-51.709,17.942) -51.711,18.45 D501.1@-13.871,18.45 -13.667,18.45 ccw(c-13.667,19.2) -13.625,18.451 ccw(c-13.667,19.2) -12.917,19.2 -12.917,23.622 ccw(c-15.457,23.622) -15.457,26.162 -18.796,26.162 cw(c-18.796,28.702) -21.336,28.702 -21.336,34.925 ccw(c-23.749,34.925) -23.749,37.338 -24.005,37.338 cw(c-24.005,39.878) -26.545,39.878 -26.545,46.002 cw(c-26.037,46) -26.53,46.124 ccw(c-27.939,46.482) -26.506,46.729 ccw(c-27.939,46.482) -26.53,46.84 cw(c-26.037,46.964) -26.545,46.962 -26.545,55.314 cw(c-24.005,55.314) -24.005,57.854 -9.745,57.854 cw(c-9.745,57.05) D502.1@-8.941,57.05 ; -199.819,20.8 cw(c-199.651,17.485) -199.651,20.804 ; -199.819,20.8 cw(c-199.651,17.485) -199.651,20.804 ; -59.247,80.119 cw(c-59.247,79.315) -58.443,79.315 ccw(c-59.247,79.315) -59.247,80.119
VCC3V3: C301.2 C302.2 C303.2 C304.2 C305.2 C308.2 CON303.2 CON304.1 R303.1 U301.1 U301.9 U301.24 U301.36 U301.48 U304.2 | length 124.1
  Component Side w0.203: U301.36@-51.889,63.582 -51.482,63.989 -51.482,64.224 cw(c-50.915,64.224) -51.316,64.625 -50.053,65.888 C303.2@-50.053,65.913 ccw(c-50.053,66.055) -49.911,66.055 v1(-49.911,66.802) ; U301.24@-48,57.607 ccw(c-46.389,59.218) -46.389,56.94 -44.675,56.94 C301.2@-44.592,57.023 ; CON304.1@-38.608,61.087 ccw(c-38.608,59.944) -39.751,59.944 R303.1@-39.751,57.8 -39.766,57.785 v1(-44.577,57.785) -44.577,56.911 C301.2@-44.592,56.896 ccw(c-42.582,56.896) -44.592,56.871 ccw(c-42.582,56.896) -42.607,54.886 ccw(c-42.582,56.896) -42.582,54.886 -34.417,54.886 cw(c-34.417,52.346) -31.877,52.346 -31.877,47.88 ccw(c-30.479,47.88) CON303.2@-30.479,46.482
  Component Side w0.254: v1(-61.214,54.61) -61.214,55.357 C302.2@-61.199,55.372 -60.402,55.372 cw(c-60.402,53.374) -60.011,55.334 cw(c-60.062,55.085) -59.899,55.279 ; -59.899,55.279 ccw(c-58.271,57.201) -58.991,54.787 cw(c-59.066,54.545) -58.887,54.725 -58.342,54.18 cw(c-58.522,54.001) -58.31,54.141 ccw(c-57.785,54.483) -58.108,53.945 ccw(c-56.822,55.231) -57.282,53.472 cw(c-57.347,53.226) -57.262,53.466 ; U301.1@-57.864,57.607 -57.936,57.536 -57.991,57.591 ccw(c-57.902,57.353) -58.081,57.533 -58.177,57.437 cw(c-58.356,57.618) -58.526,57.43 ccw(c-60.536,55.245) -60.536,58.214 -60.76,58.214 cw(c-60.76,58.468) -60.855,58.232 -60.926,58.26 -60.926,58.249 -61.003,58.351 C305.2@-61.199,58.547 C304.2@-61.199,59.944 -58.47,59.944 cw(c-58.47,59.087) U301.48@-57.864,59.693 ; U301.9@-55.036,54.779 -55.052,54.762 -55.058,54.769 ccw(c-54.947,54.541) -55.126,54.721 -55.459,54.388 cw(c-55.796,54.726) -55.508,54.345 ccw(c-55.354,54.143) -55.533,54.324 -56.059,53.798 ccw(c-55.878,53.619) -56.071,53.784 cw(c-56.896,54.483) -57.208,53.448 ; -57.262,53.466 ccw(c-56.896,54.483) -57.208,53.448 ; -57.261,53.466 ccw(c-56.896,54.483) -57.208,53.448 ; -57.208,53.448 ccw(c-56.896,54.483) -56.743,53.413 cw(c-56.896,54.483) -57.208,53.448
  Component Side w0.5: v3(-45.421,64.556) ccw(c-45.171,64.556) -45.171,64.306 -42.501,64.306 ccw(c-42.501,66.167) -40.64,66.167 -40.64,66.512 cw(c-38.1,66.512) -39.896,68.308 -36.512,71.691 -33.873,74.242 U304.2@-33.848,74.492 -33.823,74.49 -33.8,74.49 cw(c-33.846,73.992) -33.516,74.368 ccw(c-33.02,74.93) -32.523,74.368 cw(c-32.194,73.992) -32.195,74.492 -32.046,74.492 ccw(c-32.046,74.534) C308.2@-32.004,74.534
  Bottom Layer w0.5: v3(-45.421,64.556) -46.612,64.556 cw(c-46.612,67.096) -48.409,65.3 v1(-49.911,66.802) -49.911,66.294 -50.736,65.468 cw(c-52.116,66.848) -52.116,64.897 -52.84,64.897 ccw(c-52.84,63.076) -54.127,64.364 -54.737,63.754 cw(c-56.27,65.287) -56.129,63.124 cw(c-56.27,65.287) -56.27,63.119 -61.932,63.119 ccw(c-61.932,61.678) -63.373,61.678 ccw(c-61.893,61.678) -61.893,60.198 cw(c-61.893,59.392) -61.087,59.392 v1(-61.087,59.309) -61.087,54.737 cw(c-61.214,54.737) v1(-61.214,54.61) ccw(c-60.881,54.983) -60.883,54.483 -58.929,54.483 cw(c-58.931,53.983) -58.473,54.183 ccw(c-57.785,54.483) -57.517,53.782 cw(c-57.34,53.315) -57.164,53.782 ccw(c-56.896,54.483) -56.33,53.99 cw(c-55.955,53.66) -55.957,54.16 -53.303,54.16 ccw(c-53.303,57.277) -51.13,55.042 ccw(c-53.303,57.277) -51.098,55.074 -49.131,57.041 cw(c-47.335,55.245) -47.335,57.785 v1(-44.577,57.785)
pads on no net: CON301. CON301.A8 CON301.B8 CON304.0 CON304.6 D301.3 D301.4 D501.2 FID1.0 FID2.0 FID3.0 FID4.0 S201. S202. S203. S204. S205. S206. S207. S208. S209. S210. S211. S212. S213. S214. S215. S216. S217. S218. S219. S220. S221. S222. S223. S224. S225. S226. S227. S228. S229. S229_1. S230. S231. S232. S233. S234. S235. S236. S237. S238. S239. S240. S241. S242. S243. S244. S245. S246. S247. S248. S249. S250. S251. S252. S253. S254. S256. S257. S258. S259. S259_1. S260. S261. S262. S263. S265. S266. S269. STAB1. STAB2. STAB3. STAB4. STAB5. STAB6. U301.15 U301.16 U301.17 U301.18 U301.19 U301.21 U301.22 U301.25 U301.26 U301.28 U301.31 U501. U501.M
copper on no net: | length 4.4
  Component Side w0.6: -72.771,39.624 ccw(c-73.1,40.126) -72.524,40.291 cw(c-71.755,40.513) -70.965,40.386 ccw(c-70.372,40.293) -70.902,40.01 -70.837,39.89 ccw(c-70.308,40.173) -70.71,39.728

## Polygon pours and split planes (outlines as drawn)
GND on Bottom Layer "Component Side-No Net" (hatched 45Degree grid 1.397 track 0.203, remove dead copper, pour order 4): -0.635,93.995 -0.635,0.65 -284.607,0.65 -284.607,93.995
GND on Component Side "Component Side-No Net" (hatched 45Degree grid 1.397 track 0.203, remove dead copper, pour order 5): -0.635,93.995 -0.635,0.65 -284.607,0.65 -284.607,93.995

## Other copper
Component Side:
  region net GND: 1746 vertices and 2 holes, not listed, extent -120.551,7.574 -114.639,13.714

## Silkscreen, mask and mechanical layers (free items; w line width, h text height)
Top Overlay:
  text "ENC" at -252.984,62.865 h0.75
  text "B" at -254.889,58.42 h0.75
  text "GND" at -252.984,58.42 h0.75
  text "A" at -249.555,58.42 h0.75
  text "BL/RESET" at -32.051,48.352 h0.75
  text "Waffling: adj. or verb - indecisive; unable to make up one's mind; playing the safe middle ground due to one's own lack of conviction or sense of morality." at -241.427,40.132 h2.9
  text "Waffling60  -E1" at -152.989,4.228 h3
  text "ISO" at -138.811,3.556 h2
Bottom Overlay:
  text "< 10U" at -209.661,20.066 h1.52 r270
  text "< 7U" at -200.136,20.066 h1.52 r270
  text "< 3U" at -162.036,20.066 h1.52 r270
  text "< 7U" at -85.709,20.066 h1.52 r270
  text "< 10U" at -76.311,20.066 h1.52 r270
  text "< 3U" at -123.936,19.939 h1.52 r270
  text "< 3U" at -84.736,14.874 h1.52 r90
  text "< 3U" at -199.025,14.859 h1.52 r90
Top Solder:
  drawing of 2 lines, arcs and shapes, not listed
outline:
  lines w0.2: -284.861,36.576 -280.67,36.576 ccw(c-280.67,37.719) -279.527,37.719 -279.527,37.795 ccw(c-280.797,37.795) -280.797,39.065 -284.85,39.065 -284.85,92.415 cw(c-282.85,92.415) -282.85,94.415 -275.85,94.415 ccw(c-272.7,95.149) -269.55,94.415 -250.424,94.415 ccw(c-247.274,95.149) -244.124,94.415 -189.05,94.415 ccw(c-185.9,95.149) -182.75,94.415 -131.361,94.415 ccw(c-128.211,95.149) -125.061,94.415 -102.25,94.415 ccw(c-99.1,95.149) -95.95,94.415 -40.874,94.415 ccw(c-37.724,95.149) -34.574,94.415 -13.477,94.415 ccw(c-10.327,95.149) -7.177,94.415 ; -284.85,36.565 -284.85,2.215 ccw(c-282.85,2.215) -282.85,0.215 -275.85,0.215 cw(c-272.7,-0.52) -269.55,0.215 -236.137,0.215 cw(c-232.987,-0.52) -229.838,0.215 -189.05,0.215 cw(c-185.9,-0.52) -182.75,0.215 -102.25,0.215 cw(c-99.1,-0.52) -95.95,0.215 -55.161,0.215 cw(c-52.011,-0.52) -48.861,0.215 -15.45,0.215 cw(c-12.3,-0.52) -9.15,0.215 -2.15,0.215 ccw(c-2.15,2.215) -0.15,2.215 ccw(c-0.15,2.238) -0.127,2.238 -0.127,36.576 -4.191,36.576 cw(c-4.191,37.846) -5.461,37.846 cw(c-4.242,37.846) -4.242,39.065 -0.15,39.065 -0.15,92.415 ccw(c-2.15,92.415) -2.15,94.415 -7.15,94.415
Mechanical 16:
  drawing of 547 lines, arcs and shapes, not listed

## Dimensions
-9.15,0.215 to -2.15,94.415 on bot dimensions
-0.15,92.415 to -284.85,92.415 on bot dimensions
-9.15,0.215 to -7.177,94.415 on top dimensions
-0.15,92.415 to -284.85,92.415 on top dimensions

## Text inside footprints (layer, text, board x,y; h text height)
CON301: Mechanical 15 "connector edge" at -15.25,95.5 h1 r180